# Allegro board HY_MPMB_2S12_RZ_V10A.brd (continued)
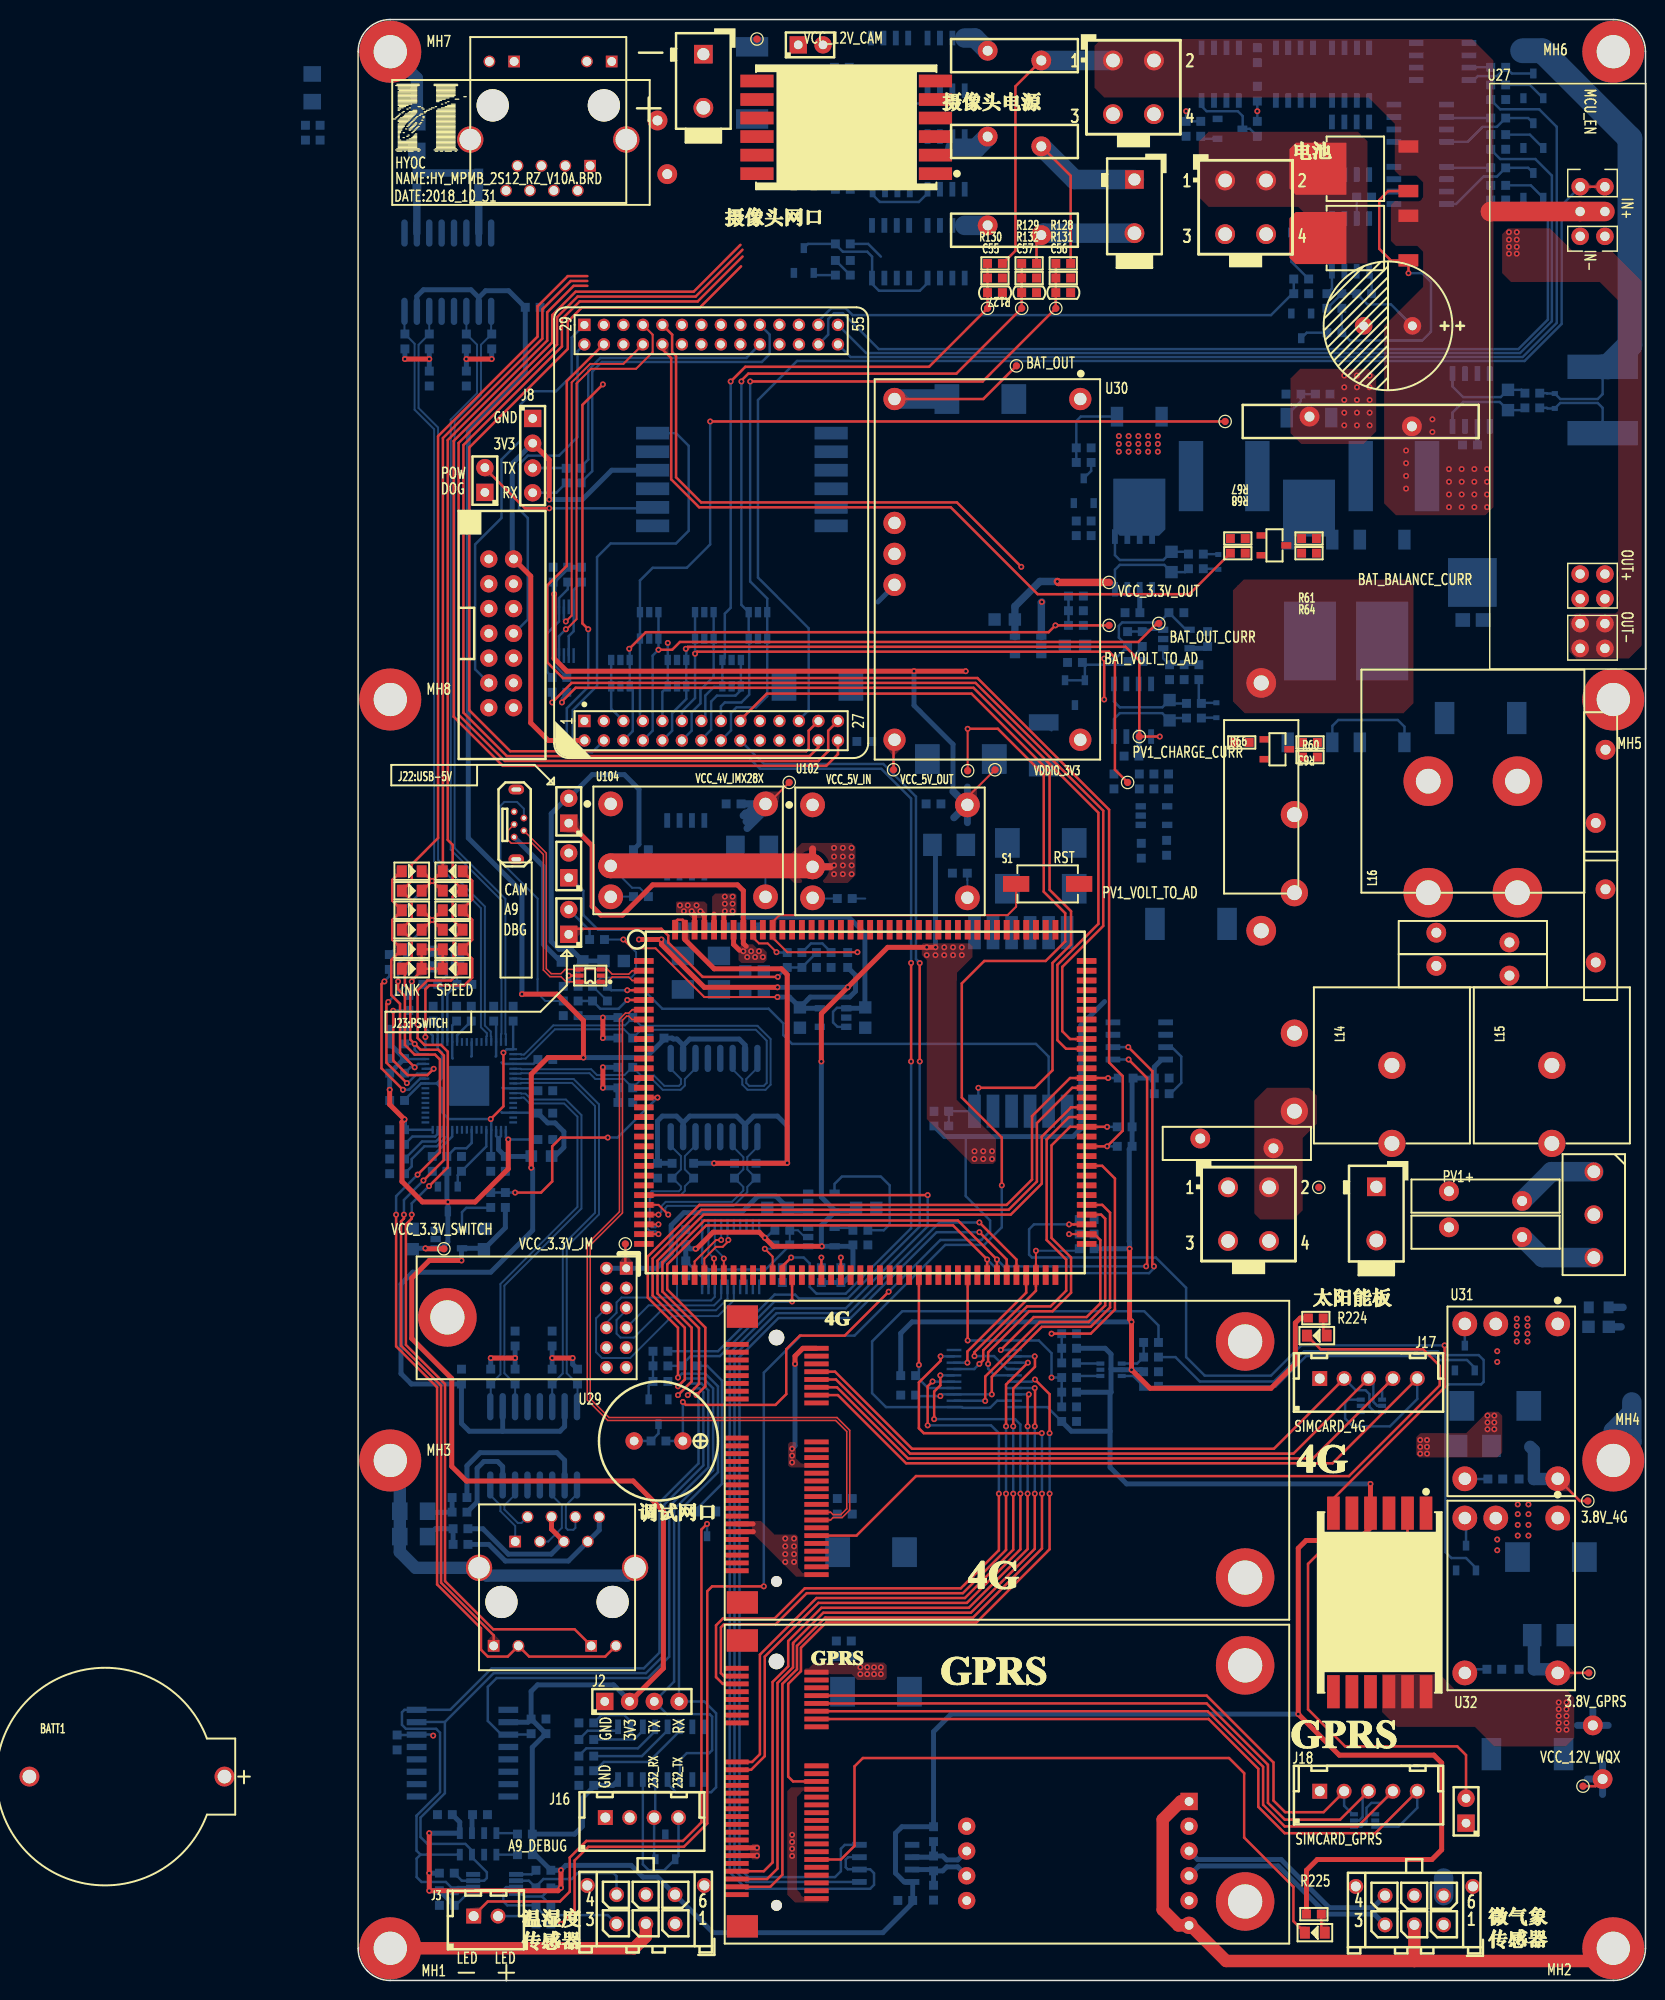
[diagram p0: board, top side]
## Placement (name value [footprint] x y rotation side) (continued)
TP16  TestPoint  [TP-0R75]  67.5 165.5 0 top
TP17  TestPoint  [TP-0R75]  54.9 124.1 0 top
TP18  TestPoint  [TP-0R75]  62.5 124 0 top
TP21  TestPoint  [TP-0R75]  40.9 199 0 top
TP22  TestPoint  [TP-0R75]  8.8 75 0 top
TP23  TestPoint  [TP-0R75]  125.59 19.92 0 top
TP24  TestPoint  [TP-0R75]  77 143.3 0 top
TP25  TestPoint  [TP-0R75]  27.4 75.5 0 top
TP26  TestPoint  [TP-0R75]  126.09 49.15 0 top
TP27  TestPoint  [TP-0R75]  126.19 31.53 0 top
TP28  TestPoint  [TP-0R75]  65.3 124.1 0 top
TP29  TestPoint  [TP-0R75]  44.2 122.8 0 top
U1  -  [5438_JYSP_WG_V10B]  36.2 148.4 90 top
U4  HEADER6X2_2R00  [JMMK]  15.1 71.4 270 top
U5  SMF05C  [SOT363]  103.2 16.4 270 bottom
U8  SN74CB3Q3244PWR  [TSSOP20]  64.2 61.7 90 bottom
U10  74LVC2G14GW  [SOT363]  77.2 62.6 90 bottom
U14  FA_238 25.0000MB_C3 18pF  [X-4P-3R2X2R5-SMD]  9.1 104.7 0 bottom
U15  88E6071-xx-NNC2I000  [QFN-64]  11.4 91.7 0 bottom
U16  MPL115A2/NI  [MPL115A2]  12.3 14 270 bottom
U17  TCA9517ADGKR/NI  [PDSO_G8]  14 9.9 90 bottom
U19  TMP75AIDR  [SOIC8]  80.1 96.3 90 bottom
U20  AD8210YRZ  [SOIC8]  79.4 130.2 0 bottom
U21  SN74AHC1G08DBVR  [SOT23-5]  81.6 119.4 90 bottom
U24  TL331IDBVT  [SOT23-5]  83.9 137.5 90 bottom
U25  AD8210YRZ  [SOIC8]  79.5 145.3 0 bottom
U26  AD8210YRZ  [SOIC8]  114.12 162 0 bottom
U27  -  [UC43_YYJH_12_V10A]  125.3 173.7 270 top
U29  -  [PS1240P02BT]  33.3 55.3 180 top
U30  HPSD5V3A  [PTN78020H]  55 162.1 270 top
U31  HPSD1233I2A  [PTH05000WAH]  123 67.3 270 top
U32  HPSD1233I2A  [PTH05000WAH]  123 47.4 270 top
U34  SPX3819M5-L-3-3/TR  [SOT23-5]  68.7 136.8 270 bottom
U35  AP2171WG-7  [SOT23-5]  47.5 79.8 90 bottom
U36  SN74AHC1G00DBVR  [SOT23-5]  47.5 76.2 90 bottom
U39  -  [RS485PROTECT]  73.8 12 180 bottom
U40  MAX3485ESA  [SOIC8]  54.1 12 90 bottom
U42  AP2171WG-7  [SOT23-5]  9.3 76 90 bottom
U43  -  [HY_PWSW]  59.2 194.7 180 top
U44  -  [HY_PWSW]  100 47.9 270 top
U45  -  [HY_PWSW]  30.2 158.6 0 bottom
U47  MAX809SN293D3T1G  [SOT23_123]  9.2 80.1 0 bottom
U48  TL431AIDBZR  [SOT23-3]  73.5 132 0 bottom
U49  TS5A22362DGSR  [VSSOP-10]  21.1 138.3 0 bottom
U50  MAX3232ESE+  [SOIC16]  31.1 23.3 0 bottom
U51  SN74CB3Q3244PWR  [TSSOP20]  38.2 74.2 0 bottom
U52  TPD4E1U06DBVR  [SOT23-6]  26.9 134 0 bottom
U53  TPD4E1U06DBVR  [SOT23-6]  29.85 138.9 0 bottom
U54  TPD4E1U06DBVR  [SOT23-6]  32.7 134 0 bottom
U55  PESD1CAN  [SOT23-3]  31.5 13.7 180 bottom
U56  679105700(molex Mini PCI-E)  [MINI_PCIE_SLOT]  38.8 65.2 270 top
U57  679105700(molex Mini PCI-E)  [MINI_PCIE_SLOT]  38.8 32 270 top
U58  SMF05C  [SOT363]  103.9 58.9 90 bottom
U96  IMX28_Module_140P  [IMX28_140PIN]  29.5 104.5 270 top
U99  DS3231SN#  [SOIC-16_300]  10.7 23.3 270 bottom
U102  HPSD0533I4A  [PTH05000WAH]  46.6 120.5 0 top
U103  -  [HY_PWSW]  63.2 89.1 90 bottom
U104  HPSD0533I4A  [PTH05000WAH]  25.9 120.6 0 top
U105  NUP4202W1T2G  [SOT-363]  23.8 103 90 top
U106  SPX3819M5-L-3-3/TR  [SOT23-5]  48.7 98.7 270 bottom
U107  TPD4E1U06DBVR  [SOT23-6]  35.5 138.9 0 bottom
U108  TPD4E1U06DBVR  [SOT23-6]  38.3 134 0 bottom
U109  TPD4E1U06DBVR  [SOT23-6]  41 138.9 0 bottom
USB1  U-D-M5DD-Y-2  [USB-MICRO-L]  16 117.2 90 top
VSR12  14D220K  [VARISTOR-14D]  127.4 122.4 90 top
VSR13  14D220K  [VARISTOR-14D]  114.3 106.9 180 top
VSR14  14D220K  [VARISTOR-14D]  114.3 103.5 180 top
VSR15  14D220K  [VARISTOR-14D]  115.6 80.4 180 top
VSR16  14D220K  [VARISTOR-14D]  115.6 76.7 180 top
VSR17  14D220K  [VARISTOR-14D]  127.4 108.1 270 top
VSR18  14D220K  [VARISTOR-14D]  90.1 85.8 0 top

## Library data of the parts
BATT1 = JMP-2_0
C2 C4 C8 C10 C11 C30-C40 C42 C47-C50 C52 C54-C57 C61 C64 C70 C72 C81 C82 C110 C118 C121-C123 C125-C127 C129 C193 C198 C199 C239 C240 = CAP NP_2
C3 C59 C63 C65-C67 C69 C89-C91 C124 C128 C130 C194 C197 = TMP_154254
C6 C7 C9 C14 C86 C119 C120 = CAP NP
C41 C51 C53 C58 C62 C73-C76 C83 C92-C102 C104 C105 C111-C113 C115 C116 C195 C196 C241 C242 = CAP NP_3
C117 = CAPT_100UF_3528_6r3V_10%_LXXXX
D1 D7 D8 = PESD3V3S1UB_2
D9 D16 = P6SMB_0
D12 D17-D27 D30 D31 = LED_4
D32 D33 = P6SMB_1
D34 = DIODE13_6
F4-F9 = FUSE
GDT4 = C6M09R_0
J1 J4 = RJ45_VTK_1
J2 J16 = CONN RCPT 4
J3 = CONN RCPT 2
J5 J13 J27 = con4_1
J8 = con4
J9 = JTAG
J10 J11 J14 J15 J21-J23 J25 J26 = HDR_1X2
J17 J18 = CONN RCPT 5
J19 J20 = con6
L2 = IND_BEAD_0805_600OHM_200MA
L3 L8 = IND_BEAD_0805_600OHM_1
L9 L10 L14 L15 = INDUCTOR_0
L16 = 744822222_0
MH1-MH8 = Hold_1
Q1-Q4 Q9-Q11 Q15 Q16 Q20 Q21 Q25 Q26 Q30 Q31 Q45 Q47 Q56 Q57 Q59-Q63 = MOS-P_0
Q12-Q14 Q17-Q19 Q22-Q24 Q28 Q29 Q58 = SI4497DY-T1-GE3
Q53-Q55 = SI4410BDY-T1-E3_0
R3 R7 R9-R16 R22-R24 R26-R33 R41-R44 R46-R56 R58 R60-R68 R84-R92 R94-R105 R107-R124 R126-R134 R136-R143 R145 R149-R151 R156-R158 R168 R169 R175-R177 R181-R185 R195-R204 R206 R207 R209-R222 R224-R230 R350 R351 R354-R356 R358-R364 R366-R378 = R_Generic
R57 = R_Generic_0: User Part Number: ***; Tolerance: ***
R59 R93 R159 = R_Generic_0
S1 = SW PUSHBUTTON_0
T1-T3 = H1102_0
TP4-TP6 TP10-TP18 TP21-TP29 = TestPoint_0
U1 = 5438_JYSP_WG_V10B_0
U4 = header6x2_0
U5 U58 = SMF05CT1G
U8 U51 = SN74CB3Q3244PWR: Tolerance: ***; User Part Number: ***
U10 = SN74AUP1G32YZPR_1
U14 = TSX-3225
U15 = 88E6071-xx-NNC2I000
U16 = MPL115A2
U17 = TCA9517ADGKR
U19 = TMP75AIDR_0
U20 U25 U26 = AD8210YRZ
U21 = SN74AUP1G32YZPR_2
U24 = TL331_0
U27 = UC43_YYJH_12_V10A
U29 = PS1240P02BT
U30 = PTN78020H_0
U31 U32 U102 U104 = PTH05000_1
U34 U106 = SPX3819M5-L-1-2
U35 U42 = AP2171WG-7
U36 = SN74AUP1G32YZPR
U39 = RS485PROTECT
U40 = MAX3485ESA
U43-U45 U103 = HY_PWSW_V10A
U47 = MAX809_0
U48 = TL431AIDBZR
U49 = TS5A22362DGSR
U50 = ADM202_0
U52-U54 U107-U109 = TPD4E1U06DBVR
U55 = PESD1CAN
U56 U57 = MINI_PCI_LATCH_1
U96 = IMX28_Module_0
U99 = DS3131SN+
U105 = nup2202w1_D_2
USB1 = USB-MICRO_0
VSR12-VSR18 = R_0

## Footprints (pads in the part's own frame, mm; a bottom-side part is the same pattern mirrored in y, then rotated)
3RM075L-6
  round 1.9 hole 1.3: 1(-4.4,0) 2(4.4,0) 3(0,0)
204-L-1MH
  round 2.794 hole 1.524: 1(0,0) 2(8,0)
204-LLB-1MH
  round 5.08 hole 2.54: 1(0,-4.572) 2(0,4.572) 3(11.43,4.572) 4(11.43,-4.572)
5438_JYSP_WG_V10B
  rect 1.27x1.27 hole 0.813: 1(-19.3,13) 29(21.3,13)
  round 1.27 hole 0.8: 2(-21.3,13) 3(-19.3,11) 4(-21.3,11) 5(-19.3,9) 6(-21.3,9) 7(-19.3,7) 8(-21.3,7) 9(-19.3,5) 10(-21.3,5) 11(-19.3,3) 12(-21.3,3) 13(-19.3,1) 14(-21.3,1) 15(-19.3,-1) 16(-21.3,-1) 17(-19.3,-3) 18(-21.3,-3) 19(-19.3,-5) 20(-21.3,-5) 21(-19.3,-7) 22(-21.3,-7) 23(-19.3,-9) 24(-21.3,-9) 25(-19.3,-11) 26(-21.3,-11) 27(-19.3,-13) 28(-21.3,-13)
  round 1.27 hole 0.813: 30(19.3,13) 31(21.3,11) 32(19.3,11) 33(21.3,9) 34(19.3,9) 35(21.3,7) 36(19.3,7) 37(21.3,5) 38(19.3,5) 39(21.3,3) 40(19.3,3) 41(21.3,1) 42(19.3,1) 43(21.3,-1) 44(19.3,-1) 45(21.3,-3) 46(19.3,-3) 47(21.3,-5) 48(19.3,-5) 49(21.3,-7) 50(19.3,-7) 51(21.3,-9) 52(19.3,-9) 53(21.3,-11) 54(19.3,-11) 55(21.3,-13) 56(19.3,-13)
5566_02A
  rect 1.905x1.905 hole 1.245: 1(0,2.75)
  round 2.032 hole 1.397: 2(0,-2.75)
5566_04A
  round 2.032 hole 1.397: 1(0,5.5) 2(4.2,5.5) 3(0,0) 4(4.2,0)
43045-0612
  round 1.524 hole 1.016: (-3,3.94) (9,3.94) 1(6,0) 2(3,0) 3(0,0) 4(0,3) 5(3,3) 6(6,3)
C1206
  rect 1.6x1.8 smd: 1(-1.422,0) 2(1.422,0)
CAP-5R0-13X27
  round 1.8 hole 0.9: 1(-2.5,0) 2(2.5,0)
CC0603
  rect 0.914x0.914 smd: 1(-0.762,0) 2(0.762,0)
CC0805
  rect 1.27x1.27 smd: 1(-1.041,0) 2(1.041,0)
CC3528_12
  rect 1.905x2.286 smd: 1(1.715,0) 2(-1.714,0)
CC7343_31
  rect 2.54x3.048 smd: 1(-3.429,0) 2(3.429,0)
CR2032
  round 2.032 hole 1.397: 1(-10,0) 2(10,0)
DO-214AB
  rect 2x3.3 smd: 1(3.7,0) 2(-3.7,0)
HEADER2X1_2R54
  rect 1.778x1.778 hole 0.889: 1(-1.27,0)
  round 1.778 hole 0.889: 2(1.27,0)
HEADER4X1_2R54
  rect 1.778x1.778 hole 0.889: 1(-3.81,0)
  round 1.778 hole 0.889: 2(-1.27,0) 3(1.27,0) 4(3.81,0)
HEADER7X2_2R54_JTAG
  round 1.778 hole 0.889: 1(0,0) 2(0,2.54) 3(2.54,0) 4(2.54,2.54) 5(5.08,0) 6(5.08,2.54) 7(7.62,0) 8(7.62,2.54) 9(10.16,0) 10(10.16,2.54) 11(12.7,0) 12(12.7,2.54) 13(15.24,0) 14(15.24,2.54)
HOLD250D134
  round 6.35 hole 3.404: 1(0,0)
HY_PWSW
  rect 3.4x1.3 smd: 1(0,9.5) 2(0,7.6) 3(0,5.7) 4(0,3.8) 5(0,1.9) 6(0,0) 7(18.3,0) 8(18.3,1.9) 9(18.3,3.8) 10(18.3,5.7) 11(18.3,7.6) 12(18.3,9.5)
IMX28_140PIN
  rect 0.6x2 smd: 1(0,-0.2) 2(1,-0.2) 3(2,-0.2) 4(3,-0.2) 5(4,-0.2) 6(5,-0.2) 7(6,-0.2) 8(7,-0.2) 9(8,-0.2) 10(9,-0.2) 11(10,-0.2) 12(11,-0.2) 13(12,-0.2) 14(13,-0.2) 15(14,-0.2) 16(15,-0.2) 17(16,-0.2) 18(17,-0.2) 19(18,-0.2) 20(19,-0.2) 21(20,-0.2) 22(21,-0.2) 23(22,-0.2) 24(23,-0.2) 25(24,-0.2) 26(25,-0.2) 27(26,-0.2) 28(27,-0.2) 29(28,-0.2) 30(29,-0.2) 71(29,45.2) 72(28,45.2) 73(27,45.2) 74(26,45.2) 75(25,45.2) 76(24,45.2) 77(23,45.2) 78(22,45.2) 79(21,45.2) 80(20,45.2) 81(19,45.2) 82(18,45.2) 83(17,45.2) 84(16,45.2) 85(15,45.2) 86(14,45.2) 87(13,45.2) 88(12,45.2) 89(11,45.2) 90(10,45.2) 91(9,45.2) 92(8,45.2) 93(7,45.2) 94(6,45.2) 95(5,45.2) 96(4,45.2) 97(3,45.2) 98(2,45.2) 99(1,45.2) 100(0,45.2)
  rect 2x0.6 smd: 31(32.2,3) 32(32.2,4) 33(32.2,5) 34(32.2,6) 35(32.2,7) 36(32.2,8) 37(32.2,9) 38(32.2,10) 39(32.2,11) 40(32.2,12) 41(32.2,13) 42(32.2,14) 43(32.2,15) 44(32.2,16) 45(32.2,17) 46(32.2,18) 47(32.2,19) 48(32.2,20) 49(32.2,21) 50(32.2,22) 51(32.2,23) 52(32.2,24) 53(32.2,25) 54(32.2,26) 55(32.2,27) 56(32.2,28) 57(32.2,29) 58(32.2,30) 59(32.2,31) 60(32.2,32) 61(32.2,33) 62(32.2,34) 63(32.2,35) 64(32.2,36) 65(32.2,37) 66(32.2,38) 67(32.2,39) 68(32.2,40) 69(32.2,41) 70(32.2,42) 101(-3.2,42) 102(-3.2,41) 103(-3.2,40) 104(-3.2,39) 105(-3.2,38) 106(-3.2,37) 107(-3.2,36) 108(-3.2,35) 109(-3.2,34) 110(-3.2,33) 111(-3.2,32) 112(-3.2,31) 113(-3.2,30) 114(-3.2,29) 115(-3.2,28) 116(-3.2,27) 117(-3.2,26) 118(-3.2,25) 119(-3.2,24) 120(-3.2,23) 121(-3.2,22) 122(-3.2,21) 123(-3.2,20) 124(-3.2,19) 125(-3.2,18) 126(-3.2,17) 127(-3.2,16) 128(-3.2,15) 129(-3.2,14) 130(-3.2,13) 131(-3.2,12) 132(-3.2,11) 133(-3.2,10) 134(-3.2,9) 135(-3.2,8) 136(-3.2,7) 137(-3.2,6) 138(-3.2,5) 139(-3.2,4) 140(-3.2,3)
JK30-300
  round 2.032 hole 1.016: 1(-2.75,0.5) 2(2.75,-0.5)
JK30-900
  round 2.032 hole 1.016: 1(-5.25,0.5) 2(5.25,-0.5)
JMMK
  rect 1.321x1.321 hole 0.813: 1(-1.6,12.395)
  round 1.321 hole 0.813: 2(-1.6,10.363) 3(0.432,12.395) 4(0.432,10.363) 5(2.464,12.395) 6(2.464,10.363) 7(4.496,12.395) 8(4.496,10.363) 9(6.528,12.395) 10(6.528,10.363) 11(8.56,12.395) 12(8.56,10.363)
  round 5.994 hole 3.505: 13(3.435,-5.944)
KEY_SMD_2
  rect 2.692x1.626 smd: 1(-3.23,0) 2(3.23,0)
L1812
  rect 1.676x3.048 smd: 1(-2.349,0) 2(2.349,0)
LC0805
  rect 1.194x1.194 smd: 1(-1.041,0) 2(1.041,0)
LED0805
  rect 1.016x1.219 smd: 1(-1.016,0) 2(1.016,0)
MAG-100M-1
  oval 2.794x0.66 smd: 1(-4.013,4.445) 2(-4.013,3.175) 3(-4.013,1.905) 4(-4.013,0.635) 5(-4.013,-0.635) 6(-4.013,-1.905) 7(-4.013,-3.175) 8(-4.013,-4.445) 9(4.013,-4.445) 10(4.013,-3.175) 11(4.013,-1.905) 12(4.013,-0.635) 13(4.013,0.635) 14(4.013,1.905) 15(4.013,3.175) 16(4.013,4.445)
MINI_PCIE_SLOT
  rect 2.3x3.2 smd: (-2.85,0.6) (26.45,0.6)
  round 1.6 hole 1.6 unplated: (-0.7,4.1)
  round 5.994 hole 3.505: (-0.3,52.15) (23.9,52.15)
  round 1.118 hole 1.118 unplated: (24.3,4.1)
  rect 0.5x2.489 smd: 1(0,0) 2(0.4,8.2) 3(0.8,0) 4(1.2,8.2) 5(1.6,0) 6(2,8.2) 7(2.4,0) 8(2.8,8.2) 9(3.2,0) 10(3.6,8.2) 11(4,0) 12(4.4,8.2) 13(4.8,0) 14(5.2,8.2) 15(5.6,0) 16(6,8.2) 17(9.6,0) 18(10,8.2) 19(10.4,0) 20(10.8,8.2) 21(11.2,0) 22(11.6,8.2) 23(12,0) 24(12.4,8.2) 25(12.8,0) 26(13.2,8.2) 27(13.6,0) 28(14,8.2) 29(14.4,0) 30(14.8,8.2) 31(15.2,0) 32(15.6,8.2) 33(16,0) 34(16.4,8.2) 35(16.8,0) 36(17.2,8.2) 37(17.6,0) 38(18,8.2) 39(18.4,0) 40(18.8,8.2) 41(19.2,0) 42(19.6,8.2) 43(20,0) 44(20.4,8.2) 45(20.8,0) 46(21.2,8.2) 47(21.6,0) 48(22,8.2) 49(22.4,0) 50(22.8,8.2) 51(23.2,0) 52(23.6,8.2)
MPL115A2
  rect 1.2x0.6 smd: 1(-1.1,1.875) 2(-1.1,0.625) 3(-1.1,-0.625) 4(-1.1,-1.875) 5(1.1,-1.875) 6(1.1,-0.625) 7(1.1,0.625) 8(1.1,1.875)
PDSO_G8
  rect 0.5x1.45 smd: 1(-0.975,-2.2) 2(-0.325,-2.2) 3(0.325,-2.2) 4(0.975,-2.2) 5(0.975,2.2) 6(0.325,2.2) 7(-0.325,2.2) 8(-0.975,2.2)
PS1240P02BT
  round 1.778 hole 0.889: 1(0,0) 2(5,0)
PTH05000WAH
  round 2.54 hole 1.27: 1(0,0) 2(0,-6.35) 3(0,-9.525) 4(15.875,-9.525) 5(15.875,0)
PTN78020H
  round 2.286 hole 1.27: 1(0,19.05) 2(0,0) 3(12.7,0) 4(15.875,0) 5(19.05,0) 6(34.925,0) 7(34.925,19.05)
QFN-64
  rect 0.23x0.8 smd: 1(-3.75,-4.5) 2(-3.25,-4.5) 3(-2.75,-4.5) 4(-2.25,-4.5) 5(-1.75,-4.5) 6(-1.25,-4.5) 7(-0.75,-4.5) 8(-0.25,-4.5) 9(0.25,-4.5) 10(0.75,-4.5) 11(1.25,-4.5) 12(1.75,-4.5) 13(2.25,-4.5) 14(2.75,-4.5) 15(3.25,-4.5) 16(3.75,-4.5) 33(3.75,4.5) 34(3.25,4.5) 35(2.75,4.5) 36(2.25,4.5) 37(1.75,4.5) 38(1.25,4.5) 39(0.75,4.5) 40(0.25,4.5) 41(-0.25,4.5) 42(-0.75,4.5) 43(-1.25,4.5) 44(-1.75,4.5) 45(-2.25,4.5) 46(-2.75,4.5) 47(-3.25,4.5) 48(-3.75,4.5)
  rect 0.8x0.23 smd: 17(4.5,-3.75) 18(4.5,-3.25) 19(4.5,-2.75) 20(4.5,-2.25) 21(4.5,-1.75) 22(4.5,-1.25) 23(4.5,-0.75) 24(4.5,-0.25) 25(4.5,0.25) 26(4.5,0.75) 27(4.5,1.25) 28(4.5,1.75) 29(4.5,2.25) 30(4.5,2.75) 31(4.5,3.25) 32(4.5,3.75) 49(-4.5,3.75) 50(-4.5,3.25) 51(-4.5,2.75) 52(-4.5,2.25) 53(-4.5,1.75) 54(-4.5,1.25) 55(-4.5,0.75) 56(-4.5,0.25) 57(-4.5,-0.25) 58(-4.5,-0.75) 59(-4.5,-1.25) 60(-4.5,-1.75) 61(-4.5,-2.25) 62(-4.5,-2.75) 63(-4.5,-3.25) 64(-4.5,-3.75)
  rect 4.1x4.1 smd: 65(0,0)
R0805
  rect 1.016x1.219 smd: 1(-1.016,0) 2(1.016,0)
RC0603
  rect 0.914x0.914 smd: 1(-0.762,0) 2(0.762,0)
RC_6871
  rect 2.5x7.2 smd: 1(-3.4,0) 2(3.4,0)
RES1000
  round 3.048 hole 1.549: 1(0,0) 2(0,25.4)
RJ45X1_LED_VTK
  round 3.3 hole 3.3 unplated: (2.301,10) (13.701,10)
  rect 1.199x1.199 hole 0.899: 1(12.291,3.81) 9(14.501,14.501) 11(4.501,14.501)
  round 1.199 hole 0.899: 2(11.021,1.27) 3(9.751,3.81) 4(8.57,1.27) 5(7.3,3.81) 6(6.119,1.27) 7(4.849,3.81) 8(3.67,1.27) 10(11.961,14.501) 12(1.961,14.501)
  round 2.7 hole 2.2: 13(0,6.5) 14(15.999,6.5)
RS485PROTECT
  rect 1.778x1.778 hole 0.889: 1(-11.4,6.35)
  round 1.778 hole 0.889: 2(-11.4,3.81) 3(-11.4,1.27) 4(-11.4,-1.27) 5(-11.4,-3.81) 6(-11.4,-6.35) 7(11.4,-3.81) 8(11.4,-1.27) 9(11.4,1.27) 10(11.4,3.81)
SOD-523
  rect 0.508x0.635 smd: 1(0.762,0) 2(-0.762,0)
SOIC8
  rect 0.6x1.5 smd: 1(-1.9,-2.7) 2(-0.63,-2.7) 3(0.64,-2.7) 4(1.91,-2.7) 5(1.91,2.7) 6(0.64,2.7) 7(-0.63,2.7) 8(-1.9,2.7)
SOIC16
  rect 0.6x1.5 smd: 1(-4.445,-2.7) 2(-3.175,-2.7) 3(-1.905,-2.7) 4(-0.635,-2.7) 5(0.635,-2.7) 6(1.905,-2.7) 7(3.175,-2.7) 8(4.445,-2.7) 9(4.445,2.7) 10(3.175,2.7) 11(1.905,2.7) 12(0.635,2.7) 13(-0.635,2.7) 14(-1.905,2.7) 15(-3.175,2.7) 16(-4.445,2.7)
SOIC-16_300
  rect 0.635x2.032 smd: 1(-4.445,-4.699) 2(-3.175,-4.699) 3(-1.905,-4.699) 4(-0.635,-4.699) 5(0.635,-4.699) 6(1.905,-4.699) 7(3.175,-4.699) 8(4.445,-4.699) 9(4.445,4.699) 10(3.175,4.699) 11(1.905,4.699) 12(0.635,4.699) 13(-0.635,4.699) 14(-1.905,4.699) 15(-3.175,4.699) 16(-4.445,4.699)
SOT23-3
  rect 0.66x1.016 smd: 1(-1.016,-1.27) 2(1.016,-1.27) 3(0,1.27)
SOT23-5
  rect 0.65x1.06 smd: 1(-0.95,-1.354) 2(0,-1.354) 3(0.95,-1.354) 4(0.95,1.354) 5(-0.95,1.354)
SOT23-6
  rect 0.65x1.06 smd: 1(-0.95,-1.354) 2(0,-1.354) 3(0.95,-1.354) 4(0.95,1.354) 5(0,1.354) 6(-0.95,1.354)
SOT23_123
  rect 0.66x1.016 smd: 1(-1.016,-1.27) 2(1.016,-1.27) 3(0,1.27)
SOT363
  rect 0.432x0.813 smd: 1(-0.635,-1.092) 2(0,-1.092) 3(0.635,-1.092) 4(0.635,1.092) 5(0,1.092) 6(-0.635,1.092)
SOT-363
  rect 0.432x0.813 smd: 1(-0.635,-1.092) 2(0,-1.092) 3(0.635,-1.092) 4(0.635,1.092) 5(0,1.092) 6(-0.635,1.092)
TO-227A
  rect 1.5x1.4 smd: 1(1.04,-3.85) 2(-1.04,-3.85)
  rect 5x5 smd: 3(0.05,0)
TO-252-2L
  rect 1.27x2.032 smd: 1(-2.286,-5.588) 2(2.286,-5.588)
  custom 5.334x5.842 smd: 3(0,3.683)
TP-0R75
  round 0.75 smd: 1(0,0)
TSSOP20
  rect 0.25x1.52 smd: 1(-2.925,-3.1) 2(-2.275,-3.1) 3(-1.625,-3.1) 4(-0.975,-3.1) 5(-0.325,-3.1) 6(0.325,-3.1) 7(0.975,-3.1) 8(1.625,-3.1) 9(2.275,-3.1) 10(2.925,-3.1) 11(2.925,3.1) 12(2.275,3.1) 13(1.625,3.1) 14(0.975,3.1) 15(0.325,3.1) 16(-0.325,3.1) 17(-0.975,3.1) 18(-1.625,3.1) 19(-2.275,3.1) 20(-2.925,3.1)
UC43_YYJH_12_V10A
  oval 1.8x1.8 hole 0.96: 1(-10.16,0) 2(-10.16,2.54) 3(-7.62,0) 4(-7.62,2.54) 5(-5.08,0) 6(-5.08,2.54) 7(29.54,0) 8(29.54,2.54) 9(32.08,0) 10(32.08,2.54) 11(34.62,0) 12(34.62,2.54) 13(37.16,0) 14(37.16,2.54)
USB-MICRO-L
  round 0.7 hole 0.4: 1(0,0) 2(0.65,-1) 3(1.3,0) 4(1.95,-1) 5(2.6,0)
  oval 1x1.6 hole 0.4x1: 6(-2.275,-0.22) 7(4.875,-0.22)
VARISTOR-14D
  round 2.032 hole 1.016: 1(-3.75,0.5) 2(3.75,-0.5)
VSSOP-10
  rect 0.25x1.52 smd: 1(-1,-2.5) 2(-0.5,-2.5) 3(0,-2.5) 4(0.5,-2.5) 5(1,-2.5) 6(1,2.5) 7(0.5,2.5) 8(0,2.5) 9(-0.5,2.5) 10(-1,2.5)
X-4P-3R2X2R5-SMD
  rect 1.4x1.15 smd: 1(-1.1,-0.8) 2(1.1,-0.8) 3(1.1,0.8) 4(-1.1,0.8)
XH-4A
  rect 1.524x1.524 hole 1.016: 1(-3.75,0)
  round 1.524 hole 1.016: 2(-1.25,0) 3(1.25,0) 4(3.75,0)
XHB-2A
  rect 1.524x1.524 hole 1.016: 1(-1.25,0)
  round 1.524 hole 1.016: 2(1.25,0)
XHB-5A
  rect 1.524x1.524 hole 1.016: 1(-5,0)
  round 1.524 hole 1.016: 2(-2.5,0) 3(0,0) 4(2.5,0) 5(5,0)

## Nets
3.8V_4G: C3.1 C63.1 C64.1 C122.1 C123.2 TP26.1 U31.5(VOUT) U56.2 U56.24 U56.39 U56.41 U56.52
3.8V_GPRS: C69.1 C70.1 C124.1 C125.1 C126.2 TP27.1 U32.5(VOUT) U57.2 U57.24 U57.39 U57.41 U57.52
5V_LED+: J3.2 R98.2
5V_LED-: J3.1 Q56.3
GND: BATT1.2 C2.2 C3.2 C4.1 C7.1 C10.2 C14.2 C30.1 C31.1 C32.2 C35.1 C36.1 C37.2 C38.1 C39.2 C40.1 C42.2 C47.1 C48.1 C49.2 C50.2 C52.1 C54.2 C55.2 C56.2 C57.2 C58.1 C59.2 C61.2 C62.1 C63.2 C64.2 C65.2 C66.2 C67.2 C69.2 C70.2 C72.1 C73.2 C74.2 C75.2 C76.2 C81.2 C82.2 C83.1 C86.1 C89.2 C90.2 C91.2 C92.1 C93.1 C94.1 C95.1 C96.1 C97.1 C98.1 C99.1 C100.1 C101.1 C102.1 C104.2 C105.2 C110.2 C111.1 C112.2 C113.2 C115.2 C116.2 C117.2 C118.2 C119.1 C120.1 C121.2 C122.2 C123.1 C124.2 C125.2 C126.1 C127.2 C128.2 C129.2 C130.2 C193.2 C194.2 C195.2 C196.2 C197.2 C198.2 C199.2 C239.1 C240.2 C241.2 C242.2 D9.2 D16.2 D32.1 D33.1 J2.1 J8.1 J9.9 J10.1 J11.1 J13.3 J13.4 J14.1 J15.1 J16.1 J17.1 J18.1 J19.1 J20.1 J21.2 J27.3 J27.4 L10.2 L16.4 Q3.2(S) Q4.2(S) Q10.2(S) Q11.2(S) Q15.2(S) Q16.2(S) Q20.2(S) Q21.2(S) Q25.2(S) Q26.2(S) Q30.2(S) Q31.2(S) Q45.2(S) Q47.2(S) Q54.5 Q54.6 Q54.7 Q54.8 Q56.2(S) Q62.2(S) R22.1 R24.2 R29.2 R54.2 R68.1 R88.1 R89.2 R104.1 R105.1 R113.1 R114.1 R119.1 R120.1 R126.1 R130.1 R131.1 R132.1 R139.1 R140.1 R141.2 R142.2 R143.1 R156.2 R168.1 R176.2 R185.1 R196.1 R197.2 R198.2 R199.2 R200.2 R221.1 R222.1 R228.2 R229.1 R360.1 R371.2 S1.2 U1.3 U4.3 U4.4 U4.13 U5.2(GND) U8.10 U10.2 U14.2 U14.4 U15.38 U15.65 U16.3 U17.4 U19.4 U19.5 U19.6 U20.2 U20.3(VREF2) U20.7 U21.3 U24.2 U25.2 U25.3(VREF2) U25.7 U26.2 U26.3(VREF2) U26.7 U27.5 U27.6 U30.1 U30.7 U31.1 U32.1 U34.2 U35.2 U36.3 U39.7 U39.10 U40.5 U42.2 U43.1 U43.3 U43.5 U44.1 U44.3 U44.5 U45.1 U45.3 U45.5 U47.1 U48.3 U49.6 U50.15 U51.10 U52.2 U52.5(NC) U53.2 U53.5(NC) U54.2 U54.5(NC) U55.3 U56.4 U56.9 U56.15 U56.18 U56.21 U56.26 U56.27 U56.29 U56.34 U56.35 U56.37 U56.40 U56.43 U56.50 U57.4 U57.9 U57.15 U57.18 U57.21 U57.26 U57.27 U57.29 U57.34 U57.35 U57.37 U57.40 U57.43 U57.50 U58.2(GND) U96.30 U96.69 U96.70 U96.99 U96.100 U96.121 U96.122 U99.5 U99.6 U99.7 U99.8 U99.9 U99.10 U99.11 U99.12 U99.13 U102.1 U103.1 U103.3 U103.5 U104.1 U105.2 U106.2 U107.2 U107.5(NC) U108.2 U108.5(NC) U109.2 U109.5(NC) USB1.5 USB1.6 USB1.7
GND_EARTH: C83.2 GDT4.3 MH4.1 MH5.1 R156.1 VSR12.2 VSR17.1
PV1+: J5.2 L9.1 TP4.1 VSR18.2
PV1_CHARGE_CTRL: R62.1 U1.40 U21.1
PV1_CHARGE_CURR: TP6.1 U1.10 U20.5 U54.3 U54.4
PV1_CHARGE_DIODE: R67.1 R68.2 U1.38
PV1_ON: J5.3 R227.2
PV1_VOLT_TO_AD: C40.2 R54.1 R58.2 TP5.1 U1.11 U107.1 U107.6
PV2_CHARGE_CTRL: U1.41
PV2_CHARGE_CURR: U1.9 U54.1 U54.6
PV2_CHARGE_DIODE: U1.39
PV2_VOLT_TO_AD: U1.14 U108.3 U108.4
VBUS: C4.2 J22.2 L2.1 R230.1 R375.1
VBUS_5V: C195.1 C196.1 J22.1 R366.1 U96.133(VDD_5V_2) U96.134
VCC_2.5V: C110.1 R210.2 R211.2 R212.2 R213.2 T3.10 T3.15 U96.139 U96.140
VCC_2.5V_REF: C48.2 R86.1 R220.2 U48.1 U48.2(REF)
VCC_3.3V_JM: C74.1 TP25.1 U4.1 U4.2(VCC2) U35.1(OUT)
VCC_3.3V_JTAG: J8.2 J9.2 U1.2 U45.4(VCC_3.3V)
VCC_3.3V_OUT: C42.1 C76.1 R62.2 R85.2 R97.2 R136.1 R145.1 TP24.1 U21.5 U29.1 U34.5(VOUT)
VCC_3.3V_SWITCH: C82.1 C92.2 C93.2 C94.2 R182.1 R183.2 R184.2 R195.2 TP22.1 U15.33 U15.48 U15.62 U42.1(OUT) U47.3(VCC)
VCC_3V3_USB: C242.1 R350.1 R351.1 R369.2 R372.2 U106.5(VOUT)
VCC_4V_IMX28X: C193.1 C194.1 C241.1 Q58.1 Q58.2 Q58.3(S3) R366.2 U96.135 U96.136 U106.1 U106.3
VCC_5V_IN: C59.1 C61.1 TP17.1 U1.1 U30.5(VOSEN) U30.6 U45.7 U45.8 U45.9
VCC_5V_OUT: C39.1 C47.2 C50.1 C54.1 C75.1 L8.1 R98.1 R220.1 TP18.1 U20.6 U24.5(VCC) U25.6 U26.6 U34.1 U34.3 U45.10 U45.11 U45.12
VCC_12V_CAM: D9.1 F7.2 J11.2 TP21.1
VCC_12V_WQX: D16.1 F4.2 J20.6 TP23.1
VCC_BAT_O: J27.1 J27.2 Q61.3 Q63.3
VDDIO_3V3: C2.1 C14.1 C35.2 C36.2 C38.2 C72.2 C73.1 C81.1 C86.2 C118.1 C120.2 C121.1 C127.1 C128.1 C197.1 C198.1 C239.2 J2.2 J19.6 R3.1 R7.1 R23.1 R28.1 R33.1 R46.1 R47.1 R48.1 R49.1 R50.1 R51.1 R52.1 R53.1 R149.2 R158.2 R175.1 R224.1 R225.1 R354.2 R355.2 R356.2 R361.2 R362.2 R363.2 R364.2 R374.2 TP28.1 U8.20(VCC) U10.5(VCC) U16.1(VDD) U17.1 U17.8(VCC_B) U19.8(V+) U35.5 U36.5 U40.8(VCC) U42.5 U43.4(VCC_3.3V) U44.4(VCC_3.3V) U49.1(VCC) U50.16(VCC) U51.20(VCC) U96.137 U96.138 U99.2(VCC_2) U102.5(VOUT)
4G_UIM_CLK: J17.4 U56.12 U58.4
4G_UIM_DATA: J17.3 U56.10 U58.5
4G_UIM_RST: J17.5 U56.14 U58.3
4G_UIM_VDD: J17.2 U56.8 U58.6
232_RX: J16.3 U50.13 U55.2
232_TX: J16.4 U50.14 U55.1
A: R175.2 R177.1 U39.9 U40.6
AUART3_CTS_A: R362.1 U8.15 U96.83
AUART3_CTS_B: U8.5 U57.5
AUART3_RTS_A: U8.13 U57.3
AUART3_RTS_B: U8.7 U96.84
AUART3_RX_A: R356.1 U8.14 U96.68
AUART3_RX_B: U8.6 U57.19
AUART3_TX_A: U8.12 U57.17
AUART3_TX_B: U8.8 U96.67
AUART4_RX: R358.2 R363.1 U49.2
AUART4_TX: R359.2 U49.10
B: R176.1 R177.2 U39.8(OUT_B) U40.7
BAT1: C117.1 D1.2 D34.3(CATHODE) F5.1 F8.2 J13.1 J13.2 Q61.2(S) Q63.2(S) R56.2 R59.2 R87.1 R121.2 R122.2 R127.2 R218.1 R219.1 R377.2 U27.3 U27.4
BAT1+: F8.1 Q57.2(S) R226.2
BAT1_VOLT: C55.1 R127.1 R130.2 TP13.1 U1.13 U108.1 U108.6
BAT2: F9.1 J26.1 R128.2
BAT2_VOLT: C56.1 R128.1 R131.2 TP14.1 U1.16 U109.3 U109.4
BAT3: F6.1 J26.2 R129.2
BAT3_VOLT: C57.1 R129.1 R132.2 TP15.1 U1.15 U109.1 U109.6
BAT_BALANCE_CURR: TP12.1 U1.7 U26.5 U53.1 U53.6
BAT_OUT: C89.1 D7.2 Q9.2(S) R91.2 R92.1 R93.2 R94.2 TP16.1 U30.2
BAT_OUT_CURR: TP10.1 U1.8 U25.5 U53.3 U53.4
BAT_OUT_DIODE: R96.1 R97.1 U1.37
BAT_VOLT_TO_AD: C52.2 R89.1 R92.2 TP11.1 U1.6 U52.3 U52.4
BAT_VOUT: C90.1 C91.1 Q9.3 U31.2 U32.2 U43.7 U43.8 U43.9 U44.7 U44.8 U44.9
C0_LED: D22.1 D24.1 D26.1 R184.1 U15.61
C1_LED: D23.1 D25.1 D27.1 J1.9 J4.9 R183.1 U15.63
C2_LED: D12.1 D18.1 D20.1 U15.64
C3_LED: D17.1 D19.1 D21.1 J1.11 J4.11 R182.2 U15.1
CTL_A9POW: R142.1 R145.2 U1.17 U103.6
CTL_BAT_GATE0: R102.1 R104.2 U1.26
CTL_BAT_GATE1: R111.1 R113.2 U1.25
CTL_BAT_GATE2: R117.1 R119.2 U1.28
CTL_BAT_GATE3: R123.1 R168.2 U1.27
CTL_BAT_GATE4: R103.1 R105.2 U1.56
CTL_BAT_GATE5: R112.1 R114.2 U1.55
CTL_BAT_GATE6: R118.1 R120.2 U1.54
CTL_BAT_GATE7: R124.1 R126.2 U1.53
CTL_BEEP: R138.1 U1.18
CTL_CAM: R221.2 U43.6 U96.42
CTL_JM: R150.2 U96.41
CTL_JM_BUSEN: R149.1 R150.1 U36.1 U36.2 U51.1 U51.19
CTL_POW: U1.4 U45.6
CTL_SWITCH: R157.1 R158.1 U96.15
CTL_UC43_YYJH_12: U1.23 U27.1 U27.2
CTL_WQX: R222.2 U44.6 U96.73
DEBUG_RXN: J4.6 T2.9
DEBUG_RXP: J4.3 T2.11
DEBUG_TXN: J4.2 T2.14
DEBUG_TXP: J4.1(TXP1) T2.16
DS_INT#: R374.1 U96.85 U99.3
DUART_RX: J2.4 R364.1 U50.12 U96.88
DUART_TX: J2.3 U50.11 U96.87
E6071_AVDD_1.8V: C58.2 C62.2 C100.2 C101.2 C102.2 L3.2(B) U15.5 U15.9 U15.14 U15.20 U15.25 U15.30
E6071_CT_1.8V: C10.1 C32.1 C99.2 C111.2 L3.1 T1.2 T1.7 T2.2 T2.7 T3.2 T3.7 U15.34 U15.35
E6071_VDD_CORE_1.2V: C95.2 C96.2 C97.2 C98.2 U15.2 U15.17 U15.36 U15.57
ENET0_RXN0: R211.1 T3.14 U96.28
ENET0_RXP0: R210.1 T3.16 U96.29
ENET0_TXN0: R213.1 T3.9 U96.26
ENET0_TXP0: R212.1 T3.11 U96.27
EVEN: Q18.5 Q18.6 Q18.7 Q18.8 Q19.5 Q19.6 Q19.7 Q19.8 Q53.5 Q53.6 Q53.7 Q53.8 Q55.5 Q55.6 Q55.7 Q55.8
GPRS_RESET#_A: U8.16 U57.22
GPRS_UIM_CLK: J18.4 U5.4 U57.12
GPRS_UIM_DATA: J18.3 U5.5 U57.10
GPRS_UIM_RST: J18.5 U5.3 U57.14
GPRS_UIM_VDD: J18.2 U5.6 U57.8
I2C_SCL: R51.2 U16.8 U17.2 U19.2 U96.63 U99.16
I2C_SDA: R50.2 U16.7 U17.3 U19.1 U96.64 U99.15
JTAG_TCK: J9.7
JTAG_TDI: J9.3
JTAG_TDO: J9.1
JTAG_TEST: J9.8 U1.30
JTAG_TMS: J9.5
LED_CON: R99.1 R137.1 U96.43
MDC: U15.39
MDIO: R195.1 U15.40
MISO_C3000_1_A: R3.2 U4.8 U51.18
MISO_C3000_1_B: U51.2 U96.35
MODE_A_245_EN: R30.2 U8.1 U8.19
MODE_A_CON: R29.1 R31.1 R33.2 U96.79
MODE_A_DTR_A: U8.18 U57.45
MODE_A_DTR_B: U8.2 U96.74
MODE_A_POWERON: Q47.1 R32.2
MODE_A_PWRKEY_A: U8.17 U57.47
MODE_A_PWRKEY_B: R22.2 U8.3 U96.75
MODE_A_RESERVED1_A: R360.2 U8.11 U96.72
MODE_A_RESERVED1_B: U8.9 U57.49
MODE_A_RESET#_B: R23.2 U8.4 U96.56
MODE_B_CON: R24.1 R26.1 R28.2 U96.61
MODE_B_POWERON: Q45.1 R27.2
MOSI_C3000_1_A: U4.7 U51.17
MOSI_C3000_1_B: U51.3 U96.36
ODD: Q13.5 Q13.6 Q13.7 Q13.8 Q14.5 Q14.6 Q14.7 Q14.8 Q23.5 Q23.6 Q23.7 Q23.8 Q24.1 Q24.2 Q24.3(S3) R116.2
OUT+: D8.1 R110.2 R159.2 U27.7 U27.8 U27.9 U27.10
OUT-: Q24.5 Q24.6 Q24.7 Q24.8 Q55.1 Q55.2 Q55.3(S_3) R169.2 U27.11 U27.12 U27.13 U27.14(OUT-_4)
P5_ID0: U15.55
P5_ID1: U15.54
P5_INDV: U15.56
P5_MODE0: R197.1 U15.47
P5_MODE1: R198.1 U15.46
P5_MODE2: R199.1 U15.45
P5_MODE3: R200.1 U15.44
P5_OUTCLK: U15.49
P5_OUTDV: U15.50
P6.6: U1.12 U107.3 U107.4
POW_DOG: J10.2 U45.2
PRO_CON: R65.1 R84.2 R85.1 U24.4
PSWITCH: R370.1 U96.132
R0_LED: R203.1 U15.58
R0_LED_K: D12.2(CATHODE) D17.2(CATHODE) D22.2(CATHODE) D23.2(CATHODE) J1.10 J1.12 R203.2
R1_LED: R202.1 U15.59
R1_LED_K: D18.2(CATHODE) D19.2(CATHODE) D24.2(CATHODE) D25.2(CATHODE) J4.10 J4.12 R202.2
R2_LED: R201.1 U15.60
R2_LED_K: D20.2(CATHODE) D21.2(CATHODE) D26.2(CATHODE) D27.2(CATHODE) R201.2
RD#_485: U40.2 U40.3 U96.25
RESETN: R369.1 S1.1 U96.130
RESETN_SWITCH: R196.2 U15.37 U47.2
RXD1_485: U40.1 U96.66
RXN: J1.6 T1.9
RXN1: R9.1 T1.3 U15.15
RXN2: R209.2 T3.8 U15.19
RXN3: R215.1 T2.3 U15.26
RXP: J1.3 T1.11
RXP1: R11.1 T1.1 U15.16
RXP2: R207.2 T3.6 U15.18
RXP3: R214.1 T2.1 U15.27
SCK_C3000_1_A: U4.6 U51.15
SCK_C3000_1_B: U51.5 U96.34
SHT_DATA1: J19.4 R47.2 U17.6
SHT_SCK1: J19.3 R46.2 U17.7
SS_C3000_1_A: U4.5 U51.16
SS_C3000_1_B: U51.4 U96.33
SYS_RESET#: J9.11 U1.29
TO_IMX283_IRQ: R361.1 U1.32(TO_IMX283) U96.81
TXD1_485: U40.4 U96.65
TXN: J1.2 T1.14
TXN1: R16.1 T1.8 U15.12
TXN2: R206.2 T3.3 U15.22
TXN3: R217.1 T2.8 U15.23
TXP: J1.1(TXP1) T1.16
TXP1: R13.1 T1.6 U15.13
TXP2: R204.2 T3.1 U15.21
TXP3: R216.1 T2.6 U15.24
UCA0_RXD: R134.1 U1.47
UCA0_TXD: R133.1 U1.48
UCA1_RXD: U1.35 U49.9
UCA1_TXD: U1.36 U49.3
USB_0_DM: U96.2 U105.3 U105.4 USB1.2
USB_0_DP: U96.3 U105.1 U105.6 USB1.3
USB_0_ID: R351.2 R376.1 U96.5
USB_0_OC: R350.2 U96.4
USB_1_DM: U56.36 U96.6
USB_1_DP: U56.38 U96.7
WORK_CURR: U1.5 U52.1 U52.6
WQX_A: J20.4 U39.3
WQX_B: J20.3 U39.4
XTAL_IN: C30.2 U14.1 U15.3
XTAL_OUT: C31.2 U14.3(OUT2) U15.4(XTAL_OUT)
N16998679: R26.2 U10.1
N16998681: R27.1 U10.6
N17011408: R52.2 U17.5
N17011416: R48.2 U16.4
N17011435: J19.2 MH1.1
N17012847: D32.2 L9.2 Q1.2(S) Q59.2(S) R57.1(I1) R58.1 R60.2
N17012853: Q1.3 Q2.3 Q59.3 Q60.3 R57.2
N17013060: D1.1 Q2.2(S) Q60.2(S) R55.2 R59.1(I1) R61.2
N17013138: Q1.1 Q59.1 R60.1 R63.1
N17013258: Q2.1 Q60.1 R61.1 R64.1
N17013289: Q3.1 R66.2
N17013932: R84.1 R86.2 U24.3
N17013957: C49.1 R87.2 R88.2 U24.1
N17018765: D7.1 Q57.3 R90.2 R93.1(I1)
N17019589: Q15.1 R102.2
N17021288: D8.2 Q14.1 Q14.2 Q14.3(S3) Q19.1 Q19.2 Q19.3(S3) R101.2 R108.2 R109.2 R159.1(I1)
N17031678: J8.3 R133.2
N17031687: J8.4 R134.2
N17032579: Q11.3 R136.2 U29.2
N17032586: Q11.1 R137.2 R138.2 R139.2
N17035371: Q12.1 Q12.2 Q12.3(S3) Q13.1 Q13.2 Q13.3(S3) R100.2
N17035611: F5.2 Q12.5 Q12.6 Q12.7 Q12.8
N17035825: Q12.4 Q13.4 Q15.3 R100.1
N17036093: F9.2 Q17.5 Q17.6 Q17.7 Q17.8
N17036097: Q17.1 Q17.2 Q17.3(S3) Q18.1 Q18.2 Q18.3(S3) R107.2
N17036141: Q17.4 Q18.4 Q20.3 R107.1
N17036173: Q20.1 R111.2
N17036537: F6.2 Q22.5 Q22.6 Q22.7 Q22.8
N17036541: Q22.1 Q22.2 Q22.3(S3) Q23.1 Q23.2 Q23.3(S3) R115.2
N17036587: Q22.4 Q23.4 Q25.3 R115.1
N17036619: Q25.1 R117.2
N17037112: Q28.4 Q30.3 R121.1
N17037144: Q30.1 R123.2
N17038253: Q14.4 Q16.3 R101.1
N17038287: Q16.1 R103.2
N17038562: Q19.4 Q21.3 R108.1
N17038596: Q21.1 R112.2
N17039179: Q24.4 Q26.3 R116.1
N17039213: Q26.1 R118.2
N17039909: Q29.1 Q29.2 Q29.3(S3) R219.2
N17039913: Q29.5 Q29.6 Q29.7 Q29.8 Q55.4 R169.1
N17039939: Q29.4 Q31.3 R122.1
N17039975: Q31.1 R124.2
N17043332: C53.1 R109.1 U26.1
N17043356: C53.2 R110.1 U26.8
N17048322: R65.2 U21.2
N17048341: R66.1 U21.4(Y)
N17049626: Q4.3 R64.2
N17049653: Q4.1 R67.2
N17052002: C41.1 R56.1 U20.1
N17052006: C41.2 R55.1 U20.8
N17053122: Q3.3 R63.2
N17059984: C51.2 R90.1 U25.8
N17059986: C51.1 R91.1 U25.1
N17060967: Q9.1 R94.1 R95.1
N17060983: Q10.3 R95.2
N17061020: Q10.1 Q62.1 R96.2
N17066269: R30.1 R32.1 U10.4
N17066317: R31.2 U10.3
N17074743: R140.2 U31.4
N17078281: F7.1 U43.10 U43.11 U43.12
N17079943: R143.2 U32.4
N17080334: Q45.3 U31.3
N17080394: Q47.3 U32.3
N17085538: R157.2 U42.4
N17092002: R151.1 U35.4
N17092088: R151.2 U36.4(Y)
N17093747: R49.2 U16.5
N17094203: C37.1 U16.2
N17094693: R53.2 U19.7
N17101856: Q56.1 R99.2
N17107895: R41.1 T2.15
N17107897: C33.2 R41.2 R44.2
N17107949: J4.4 J4.5 R42.1
N17107953: C34.2 R42.2 R43.2
N17108017: J4.7 J4.8 R43.1
N17108070: R44.1 T2.10
N17144817: Q28.1 Q28.2 Q28.3(S3) R218.2
N17145206: Q28.5 Q28.6 Q28.7 Q28.8 Q53.4 Q54.4 R181.1
N17163116: J20.2 MH2.1 U39.1 U39.6
N17195368: Q53.1 Q53.2 Q53.3(S_3) Q54.1 Q54.2 Q54.3(S_3) R181.2
N17203457: R185.2 U15.6
N17206531: C104.1 R204.1 R206.1
N17206608: C105.1 R207.1 R209.1
N17207672: C112.1 R9.2 R11.2
N17207700: R10.1 T1.15
N17207702: C11.2 R10.2 R15.2
N17207756: J1.4 J1.5 R12.1
N17207760: C8.2 R12.2 R14.2
N17207824: J1.7 J1.8 R14.1
N17207828: C113.1 R13.2 R16.2
N17207862: R15.1 T1.10
N17207928: C8.1 C11.1 J1.13 J1.14 MH7.1
N17213638: C115.1 R214.2 R215.2
N17213788: C116.1 R216.2 R217.2
N17217572: F4.1 U44.10 U44.11 U44.12
N17248606: J14.2 U43.2
N17249875: J15.2 U44.2
N17342413: D30.2(CATHODE) U56.42
N17342415: D30.1 R224.2
N17355602: D31.2(CATHODE) U57.42
N17355630: D31.1 R225.2
N17392005: R367.1 R368.1 U102.2 U103.10 U103.11 U103.12 U104.2
N17392021: J21.1 U103.2
N17392060: C65.1 C66.1 C67.1 L8.2(B) U103.7 U103.8 U103.9
N17392087: R141.1 U102.4
N17395350: Q57.1 R226.1 R227.1
N17398149: C129.1 C130.1 Q58.5 Q58.6 Q58.7 Q58.8 TP29.1 U104.5(VOUT)
N17398191: R228.1 U104.4
N17403052: Q58.4 R229.2 R230.2
N17403727: R7.2 U49.5 U49.7
N17403744: C6.2 U50.3
N17403746: C6.1 U50.1
N17403750: C119.2 U50.6
N17403754: C9.2 U50.5
N17403756: C9.1 U50.4
N17409203: R354.1 U96.46
N17409205: R355.1 U96.48
N17417679: R358.1 U96.92
N17417698: R359.1 U96.91
N17440156: R367.2 U104.3
N17440195: R368.2 U102.3
N17442254: J23.1 R370.2 R371.1 R373.1
N17442473: J23.2 R372.1
N17442741: C199.1 R373.2
N17444856: BATT1.1 C240.1 U99.14
N17447330: L2.2(B) USB1.1(VBUS)
N17447385: R375.2 U105.5
N17448107: R376.2 USB1.4
N17515374: J5.1 L10.1 VSR18.1
N17522411: C33.1 C34.1 J4.13 J4.14 MH3.1
N17531139: L14.2 L16.2 VSR12.1 VSR13.2 VSR14.2
N17531161: D33.2 D34.1 D34.2 L16.3
N17531208: J25.2 L14.1 VSR16.2
N17531272: J25.1 L15.1 VSR15.2
N17531278: L15.2 L16.1 VSR13.1 VSR14.1 VSR17.2
N17531331: GDT4.1 VSR15.1
N17531348: GDT4.2 VSR16.1
N17533848: Q61.1 Q63.1 R377.1 R378.1
N17533868: Q62.3 R378.2
N174043278: C7.2 U50.2
